# Altium PCB PE300_Rev1_1.PcbDoc (part 1 of 2) (continued)
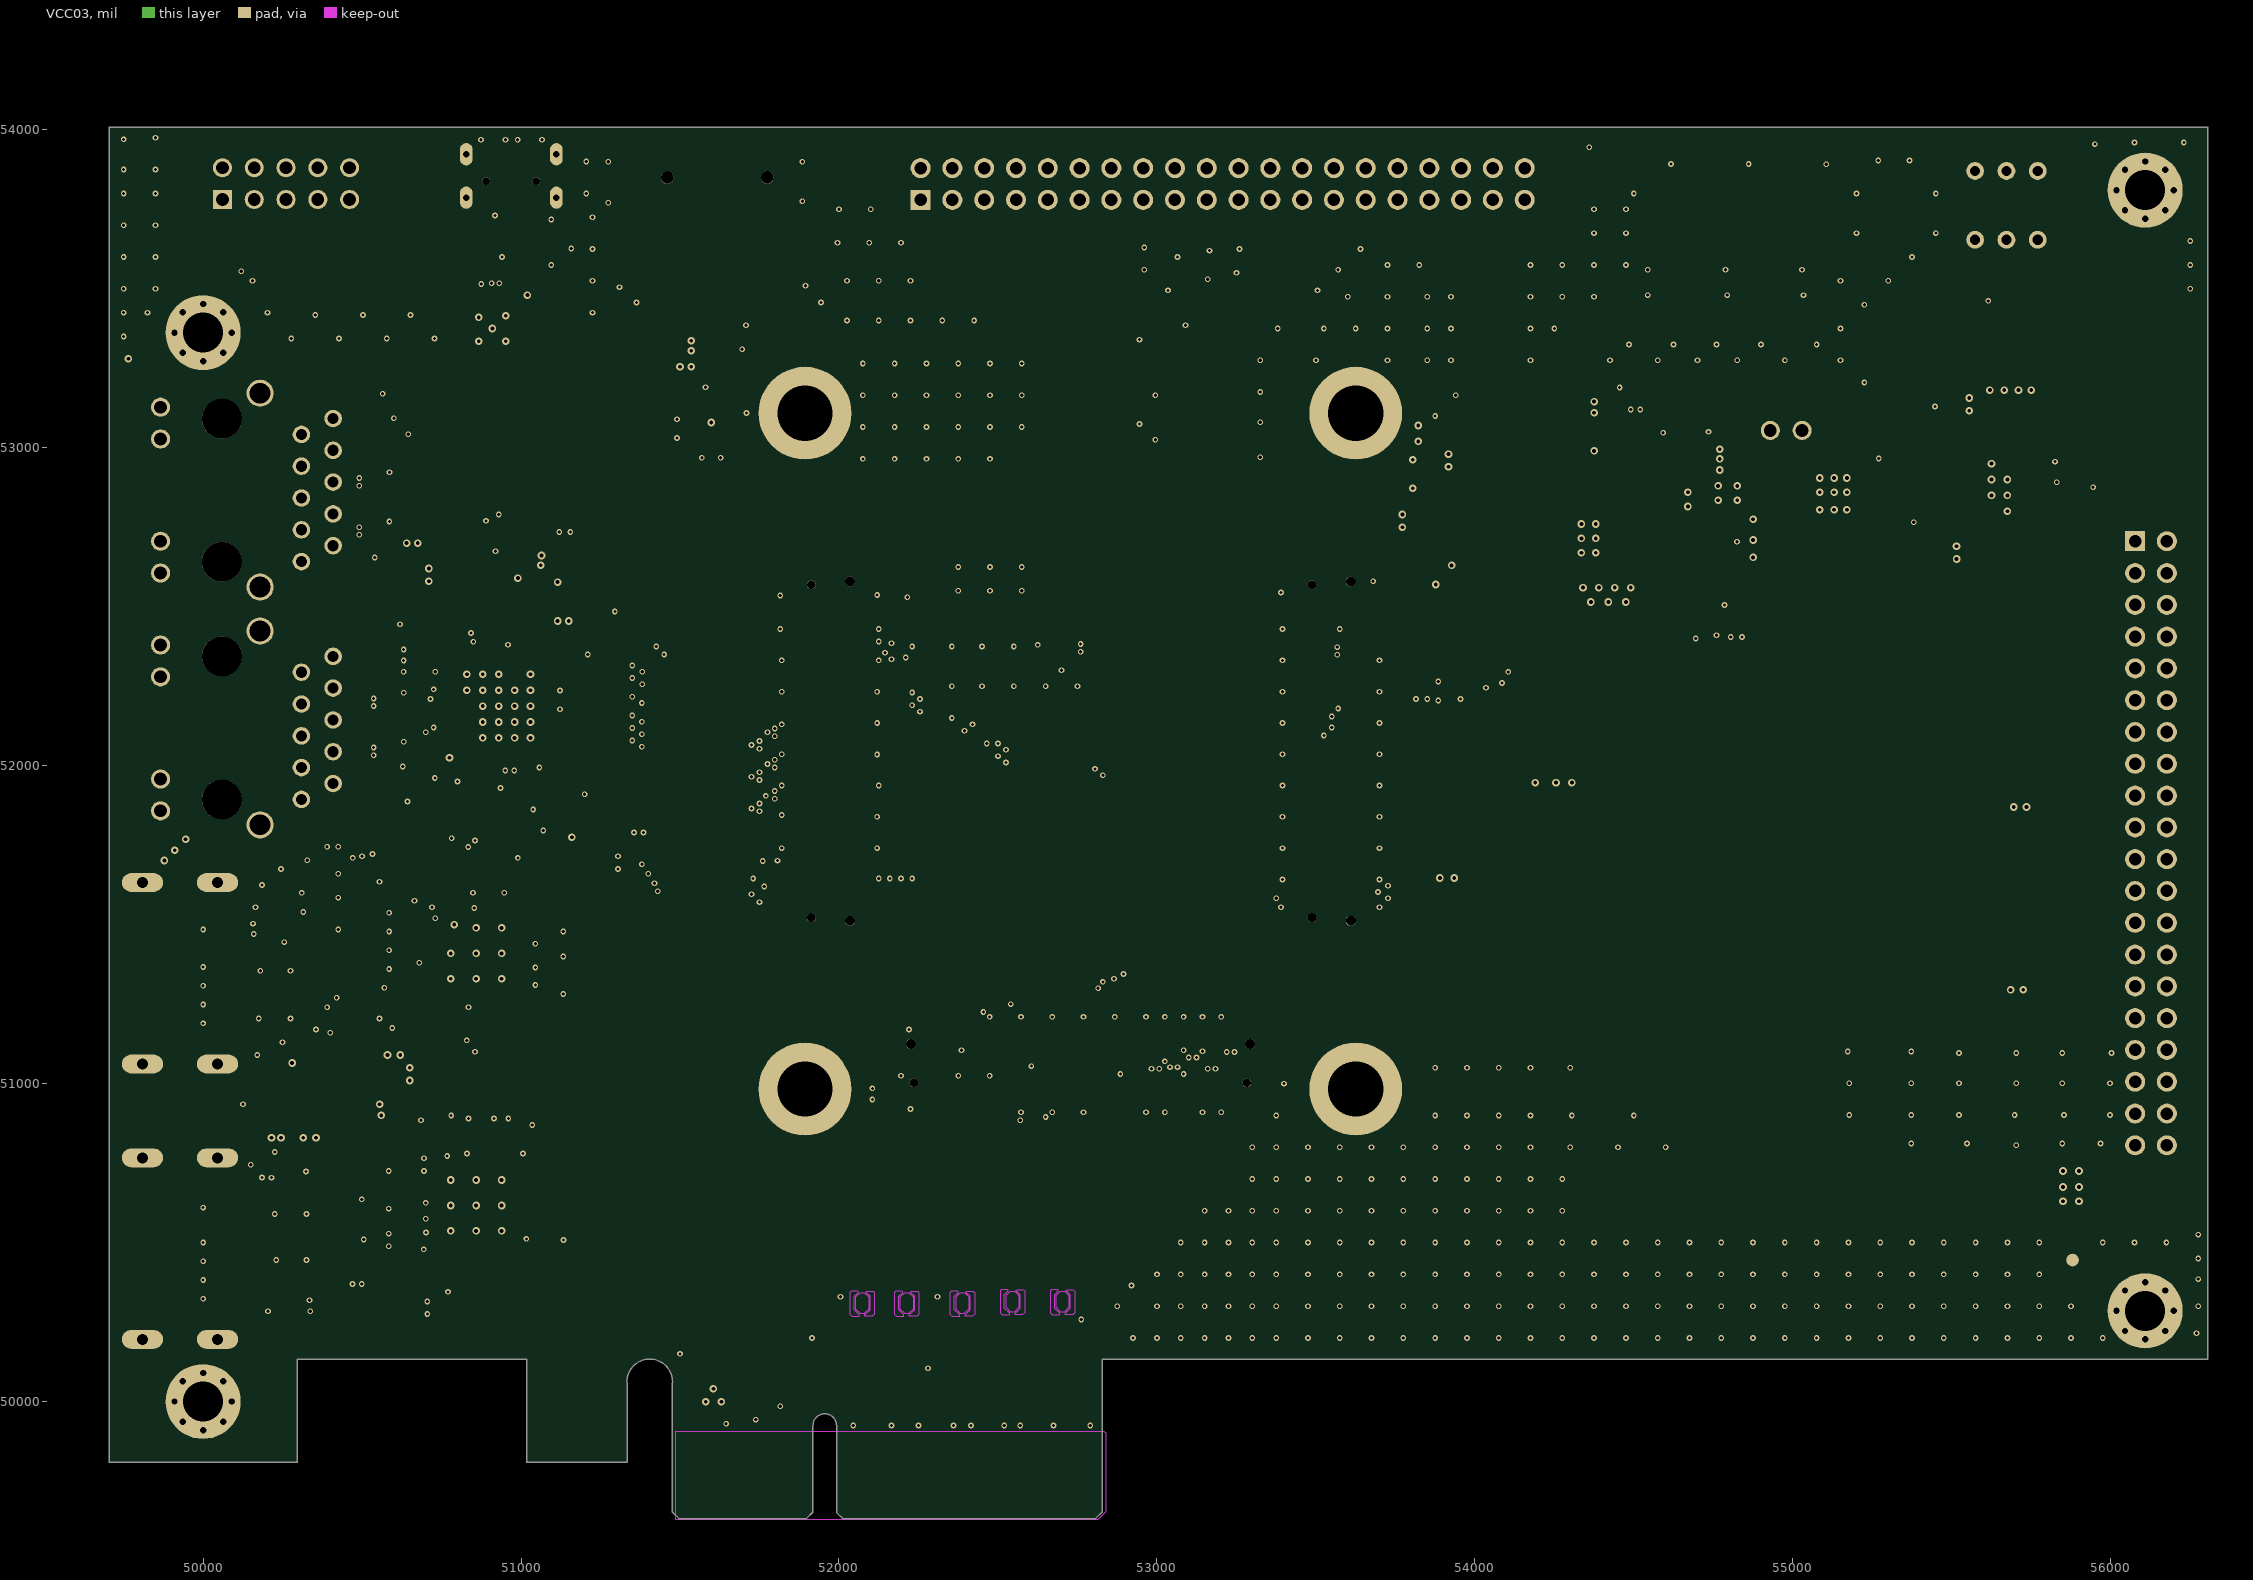
[diagram p3: VCC03]

## Layer stack, top to bottom
Top Solder: solder mask 0.4, Solder Resist, Dk 3.5
TOP: signal copper 1.2
Dielectric 1: core 8, FR-4, Dk 4.5
GND02: signal copper 1.2
Dielectric2: core 8, FR-4, Dk 4.5
VCC03: signal copper 1.2
Dielectric3: core 8, FR-4, Dk 4.5
BOTTOM: signal copper 1.2
Bottom Solder: solder mask 0.4, Solder Resist, Dk 3.5

## Board outline
51917.72,49923.56 51917.72,49652.06 51917.58,49651.71 51897.58,49631.71 51897.22,49631.56 51496.72,49631.56 51496.37,49631.71 51476.37,49651.71 51476.22,49652.06 51476.22,50057.05 51476.22,50057.1 51476.39,50061.96 ccw(c51404.72,50061.96) 51333.22,50057.1 51333.22,50057.06 51333.22,49809.06 51332.72,49808.56 51017.72,49808.56 51017.22,49809.06 51017.22,50133.56 50296.22,50133.56 50296.22,49809.06 50295.72,49808.56 49704.72,49808.56 49704.22,49809.06 49704.22,54007.88 49704.72,54008.38 56304.72,54008.38 56305.22,54007.88 56305.22,50134.06 56304.72,50133.56 52827.22,50133.56 52827.22,49652.06 52827.08,49651.71 52807.08,49631.71 52806.72,49631.56 52012.22,49631.56 52011.87,49631.71 51992.37,49651.21 51992.22,49651.56 51992.22,49924.04 51992.22,49924.07 51992.23,49924.64 ccw(c51955.22,49924.64) 51918.22,49924.07 51918.22,49924.06

## Design rules (kind name [scope] priority, off if disabled: settings)
Clearance [All] p1: gap=10
PlaneConnect [All] p1: planeconnectstyle=Direct reliefexpansion=20 reliefentries=4 reliefconductorwidth=10 reliefairgap=10
PolygonConnect [All] p1: connectstyle=Direct reliefconductorwidth=10 reliefentries=4 polygonreliefangle="90 Angle" airgapwidth=10
RoutingVias [All] p1: holewidth=28 width=50 viastyle="Through Hole" minholewidth=28 minwidth=50 maxholewidth=28 maxwidth=50
SolderMaskExpansion [All] p1: expansion=4
Width [All] p1: maxlimit=10 minlimit=10 preferedwidth=10 impedancedriven=TRUE minimp=0.000000 maximp=60.000000 favimp=60.000000
28 further rules are at their usual default settings.

## Components (designator, comment, footprint, x,y, rotation, side; value= is the part's Value field where it differs from the comment)
C1 "CAP_0805C_10UF/25V" 0805C#1 54995,52885 r270 top
C2 "CAP_0805C_10UF/25V" 0805C#1 54995,52810 r270 top
C3 "C_0402C_0.1UF" 0402C#1 50965,53550 r180 bottom
C4 "C_0603C_10UF/10V" 0603C#1 51084.77,53626.83 r270 top
C5 "C_0402C_0.1UF" 0402C#2 51074.77,53681.83 r270 top
C6 "C_0402C_0.1UF" 0402C#1 51050,53550 r180 bottom
C7 "C_0603C_10UF/6.3V" 0603C#1 51570.94,53306.8 r180 top
C8 "C_0402C_0.1UF" 0402C#2 51620.93,53316.8 r180 top
C9 "CAP_0402C_0.1UF" 0402C#1 51540,53090 r90 bottom
C10 "CAP_0402C_0.1UF" 0402C#1 51625,53025 r180 bottom
C11 "C_0402C_0.1UF" 0402C#2 50545,53092.65 r90 top
C12 "CAP_1206C_100PF/1000V" 1206C 50040.5,52832.65 r0 bottom
C13 "CAP_0402C_0.1UF" 0402C#2 54597,53560 r270 top
C14 "CAP_0402C_0.1UF" 0402C#2 54841.09,53560 r270 top
C15 "CAP_0402C_0.1UF" 0402C#2 55085.18,53560 r270 top
C16 "CAP_0603C_10UF/6.3V" 0603C#2 51014.57,52032.39 r270 bottom
C17 "CAP_0402C_0.1UF" 0402C#1 50964.58,52332.39 r0 bottom
C18 "CAP_0603C_10UF/6.3V" 0603C#2 50879.57,52032.39 r270 bottom
C19 "CAP_0402C_0.1UF" 0402C#1 50774.58,52232.39 r90 bottom
C20 "CAP_0402C_0.1UF" 0402C#1 50859.57,52332.39 r0 bottom
C21 "CAP_0402C_0.1UF" 0402C#1 51084.57,52207.39 r270 bottom
C22 "CAP_0603C_10UF/6.3V" 0603C#2 50794.57,52322.39 r0 bottom
C23 "CAP_0603C_10UF/6.3V" 0603C#2 50784.57,52182.39 r90 bottom
C24 "CAP_0402C_0.1UF" 0402C#1 50774.58,52132.39 r90 bottom
C25 "C_0402C_0.1UF" 0402C#2 50599.58,52417.39 r90 top
C26 "CAP_0402C_12PF" 0402C#2 51037.91,51808.36 r180 top
C27 "CAP_0402C_12PF" 0402C#2 50840,51820 r0 top
C28 "CAP_0805C_47UF/6.3V" 0805C#2 51070,50865 r180 bottom
C29 "CAP_0402C_0.1UF" 0402C#1 51006.38,50828.98 r180 bottom
C30 "CAP_0402C_0.1UF" 0402C#1 50845,50825 r180 bottom
C31 "CAP_0603C_10UF/6.3V" 0603C#2 50530,50570 r270 bottom
C32 "CAP_0402C_0.1UF" 0402C#1 50646.46,50575 r90 bottom
C33 "CAP_0402C_0.1UF" 0402C#1 50646.46,50528.11 r90 bottom
C34 "CAP_0402C_0.1UF" 0402C#2 54670,52459.25 r0 top
C35 "CAP_0805C_47UF/10V" 0805C#1 54435,52651.39 r180 top
C36 "CAP_0402C_0.1UF" 0402C#2 54500,52651.39 r180 top
C37 "C_0805C_10UF/25V" 0805C#1 55608.27,53085.93 r0 top
C38 "C_0805C_10UF/25V" 0805C#1 55688.27,53085.93 r0 top
C39 "CAP_0402C_0.1UF" 0402C#2 54760,52459.25 r0 top
C40 "CAP_0402C_0.1UF" 0402C#2 50710,52680 r180 top
C41 "CAP_0402C_0.1UF" 0402C#2 50270,50860 r270 top
C42 "CAP_0402C_15PF" 0402C#2 50355,51117.2 r0 top
C43 "CAP_0402C_15PF" 0402C#2 50955,52680.25 r180 top
C44 "CAP_0805C_47UF/6.3V" 0805C#1 50605,50985 r180 top
C45 "CAP_0402C_0.1UF" 0402C#2 50535,50985 r180 top
C46 "CAP_0805C_47UF/6.3V" 0805C#1 51060,52537.45 r0 top
C47 "CAP_0402C_0.1UF" 0402C#2 50990,52537.45 r0 top
C48 "CAP_0402C_0.1UF" 0402C#2 54375,53050 r180 top
C49 "CAP_0402C_15PF" 0402C#2 54630,53052.8 r180 top
C50 "CAP_0805C_47UF/6.3V" 0805C#1 54720,52915 r180 top
C51 "CAP_0402C_0.1UF" 0402C#2 54650,52915 r180 top
C52 "CAP_1206C_100PF/1000V" 1206C 50040.5,52084.62 r0 bottom
C54 "CAP_0603C_10UF/6.3V" 0603C#1 53846.89,52750 r270 top
C55 "CAP_0402C_0.1UF" 0402C#2 53856.89,52980 r270 top
C56 "CAP_0402C_15PF" 0402C#2 50840,51930 r180 top
C57 "CAP_0402C_15PF" 0402C#2 50628.74,51829.73 r180 top
C58 "CAP_0402C_0.1UF" 0402C#1 51076.02,51276.78 r270 bottom
C59 "CAP_0603C_10UF/6.3V" 0603C#2 50790,51470 r90 bottom
C60 "CAP_0402C_0.1UF" 0402C#1 50814.21,51187.45 r180 bottom
C61 "CAP_0402C_0.1UF" 0402C#1 51076.02,51394.89 r270 bottom
C62 "CAP_0603C_10UF/6.3V" 0603C#2 50907.32,51572.02 r0 bottom
C63 "CAP_0402C_0.1UF" 0402C#1 50858.74,51187.45 r180 bottom
C64 "CAP_0402C_0.1UF" 0402C#1 50635,51540 r90 bottom
C65 "CAP_0402C_0.1UF" 0402C#1 50818.9,51572.02 r0 bottom
C66 "CAP_0402C_0.1UF" 0402C#1 50635,51355 r90 bottom
C67 "CAP_0402C_0.1UF" 0402C#1 52190.34,50310 r0 bottom
C68 "CAP_0402C_0.1UF" 0402C#1 52235.34,50310 r0 bottom
C69 "CAP_0402C_0.1UF" 0402C#1 52365.3,50310 r0 bottom
C70 "CAP_0402C_0.1UF" 0402C#1 52410.3,50310 r0 bottom
C71 "CAP_0402C_0.1UF" 0402C#1 52522.78,50315 r0 bottom
C72 "CAP_0402C_0.1UF" 0402C#1 52567.78,50315 r0 bottom
C73 "CAP_0402C_0.1UF" 0402C#1 52680.26,50315 r0 bottom
C74 "CAP_0402C_0.1UF" 0402C#1 52725.26,50315 r0 bottom
C75 "CAP_0402C_0.1UF" 0402C#1 52050.34,50310 r0 bottom
C76 "CAP_0402C_0.1UF" 0402C#1 52095.34,50310 r0 bottom
C77 "CAP_0402C_0.1UF" 0402C#2 50155,53575 r0 top
C78 "CAP_0402C_0.1UF" 0402C#1 50646.46,50478.74 r270 bottom
C79 "CAP_0402C_0.1UF" 0402C#1 51071.02,50508.43 r270 bottom
C80 "CAP_0402C_0.1UF" 0402C#1 50700,50825 r180 bottom
C81 "CAP_0402C_0.1UF" 0402C#1 50646.46,50625 r90 bottom
C82 "CAP_0805C_47UF/6.3V" 0805C#2 50635,50825 r180 bottom
C83 "CAP_0402C_0.1UF" 0402C#1 50646.46,50724.96 r90 bottom
C84 "CAP_0402C_0.1UF" 0402C#1 50750,50825 r0 bottom
C85 "CAP_0805C_47UF/6.3V" 0805C#2 50840,50955 r90 bottom
C86 "CAP_0402C_0.1UF" 0402C#1 50795,50825 r0 bottom
C87 "CAP_0603C_10UF/6.3V" 0603C#2 50660,51410 r90 bottom
C88 "CAP_0603C_10UF/6.3V" 0603C#1 50490,51290 r270 top
C89 "CAP_0402C_0.1UF" 0402C#1 50760,51572.02 r0 bottom
C90 "CAP_0402C_0.1UF" 0402C#1 51076.02,51470 r270 bottom
C91 "CAP_0805C_47UF/6.3V" 0805C#2 51040,51530 r270 bottom
C92 "CAP_0805C_47UF/6.3V" 0805C#1 50500,51155 r90 top
C93 "CAP_0402C_0.1UF" 0402C#2 50400,51115 r180 top
D1 "BAT54S/SOT_SOT23-236AB_BAT54S/S" SOT23-236AB 50690,53420 r0 top
D2 "BAT54S/SOT_SOT23-236AB_BAT54S/S" SOT23-236AB 50240,53420 r0 top
D3 "BAT54S/SOT_SOT23-236AB_BAT54S/S" SOT23-236AB 50390,53420 r0 top
D4 "BAT54S/SOT_SOT23-236AB_BAT54S/S" SOT23-236AB 50540,53420 r0 top
D5 "DIODE_SMA_SS36" SMA 55515.12,52852.93 r90 top
D6 "LED_0603LED_AK_RED_LED" 0603LED_AK 55715,52965 r180 top
D7 "TVS_SMAJ5_0.0CA_5V_SOD123_AK_BZ" SOD123_AK 55380.43,52805.92 r270 top
D8 "LED_0603LED_GREEN_LED" 0603LED 55268.71,53835 r270 top
D9 "LED_0603LED_GREEN_LED" 0603LED 55367.13,53835 r270 top
F1 "FUSE_1812F_2A" 1812F 55475.12,53304.58 r180 top
J1 "CON10A_HDR254F-2X5X850_JTAG" HDR254F-2X5X850 50260.7,53830.72 r90 top
J3 "CON2_XH2_1X2_2P54MM_CON2" XH2_1X2_2P54MM 54979.01,53080 r270 top
J4 "USB_MICROTYPE_USBMICRO_H_USB_MI" USBMICRO_H 50969.36,53886.32 r180 top
J5 "MICROSD_1_TF-15-15B_MICROSD" TF-15-15B 51579.38,53712.6 r180 top
J6 "RJ45_HR911130A_RJ45_HR911130A_H" RJ45_HR911130A 50045.28,52866.73 r90 top
J7 "RJ45_HR911130A_RJ45_HR911130A_H" RJ45_HR911130A 50045.28,52118.71 r90 top
J8 "HDMI_HDMI19S_HDMI" HDMI19S 49848.43,50480.91 r270 top
J10 "HDMI_HDMI19S_HDMI" HDMI19S 49848.43,51347.05 r270 top
J11 "PCIE_SLOT_FINGER-PCI-EX4_PCIE_S" FINGER-PCI-EX4 52151.58,49797.25 r0 top
JM1 "CON 50X2_QT51A01-38200-7H_CON50" QT51A01-38200-7H 53546.65,52045.79 r180 top
JM2 "CON 50X2_QT51A01-38200-7H_CON50" QT51A01-38200-7H 52759.23,51061.52 r270 top
JM3 "CON 50X2_QT51A01-38200-7H_CON50" QT51A01-38200-7H 51971.85,52045.79 r180 top
JP1 "CON40A_IDC40-2_54A_CON40A" IDC40-2_54A 53209.27,53829.57 r0 top
JP2 "CON40A_IDC40-2_54A_CON40A" IDC40-2_54A 56126.65,51753.44 r270 top
K1 "SW_2P_SW2_3X6_SW_2P" SW2_3X6 54614.5,53796.91 r270 top
K2 "SW_2P_SW2_3X6_SW_2P" SW2_3X6 54858.59,53796.91 r270 top
K3 "SW_2P_SW2_3X6_SW_2P" SW2_3X6 55102.68,53796.91 r270 top
L1 "L_L4020_1.5UH" L4020 54625,52614.24 r90 top
L2 "L_L4020_1UH" L4020 50850,52527.45 r0 top
L3 "L_L4020_1UH" L4020 50415,50960 r90 top
L4 "L_L4020_1UH" L4020 54510,52900 r0 top
M1 "TP_R_HOLE32CIR60_HOLE" HOLE32CIR60 50000,53362.21 r0 top
M2 "TP_R_HOLE32CIR60_HOLE" HOLE32CIR60 50000,50000 r0 top
M3 "TP_R_HOLE32CIR60_HOLE" HOLE32CIR60 56108.27,50285.43 r0 top
M4 "TP_R_HOLE32CIR60_HOLE" HOLE32CIR60 56108.27,53810.24 r0 top
M5 "TP_R_HOLE174-292_HOLE" HOLE174-292 51893.11,53108.78 r0 top
M6 "TP_R_HOLE174-292_HOLE" HOLE174-292 51893.11,50982.8 r0 top
M7 "TP_R_HOLE174-292_HOLE" HOLE174-292 53625.39,50982.8 r0 top
M8 "TP_R_HOLE174-292_HOLE" HOLE174-292 53625.39,53108.78 r0 top
Q2 "AO3415_AO3415_AO3415" AO3415 55345.12,53065.92 r0 top
Q3 "AO3415_AO3415_AO3415" AO3415 55495.12,53055.93 r270 top
Q4 "MMBT5401L_0_SOT23-3_MMBTA92LT1G" SOT23-3 55267.83,52825.93 r180 top
Q5 "NPN2_SOT23_MMBT5551" SOT23 55864.53,52960.93 r0 top
Q6 "N_2N7002_SOT23-236AB_2N7002" SOT23-236AB 50390,51665 r90 top
Q7 "N_2N7002_SOT23-236AB_2N7002" SOT23-236AB 50245,51665 r90 top
R2 "RESISTOR_0402R_33R" 0402R#1 50240,53576.42 r90 top
R3 "RESISTOR_0402R_33R" 0402R#1 50390,53576.42 r90 top
R4 "RESISTOR_0402R_33R" 0402R#1 50545,53576.42 r90 top
R5 "R_0402R_33R" 0402R#1 50999.77,53666.82 r270 top
R6 "R_0402R_33R" 0402R#1 50964.77,53666.82 r270 top
R7 "R_0402R_4.7K" 0402R#2 51010,53549.69 r90 bottom
R8 "RESISTOR_0402R_4.7K(NC)" 0402R#2 51539.69,53015 r180 bottom
R9 "RESISTOR_0402R_4.7K" 0402R#2 51539.69,53050 r0 bottom
R10 "R_0402R_4.7K" 0402R#1 51505,53320 r270 top
R11 "R_0402R_4.7K(NC)" 0402R#1 51664.25,53316.8 r270 top
R12 "R_0402R_330R" 0402R#1 50545,53137.65 r0 top
R13 "R_0402R_330R" 0402R#1 50550,52692.65 r0 top
R14 "R_1206R_1M" 1206R 50040,52932.65 r180 bottom
R15 "R_0402R_10K" 0402R#1 54841.4,53480 r0 top
R16 "R_0402R_10K" 0402R#1 54597.32,53480 r0 top
R17 "R_0402R_10K" 0402R#1 55085.49,53480 r0 top
R18 "R_0402R_330R" 0402R#1 54597.32,53515 r0 top
R19 "R_0402R_330R" 0402R#1 54841.4,53515 r0 top
R20 "R_0402R_330R" 0402R#1 55085.49,53515 r0 top
R21 "RESISTOR_0402R_4.7K" 0402R#1 50679.57,52295.66 r0 top
R22 "R_0402R_330R" 0402R#1 50679.57,52417.39 r0 top
R23 "R_0402R_330R" 0402R#1 50679.57,51961.13 r0 top
R24 "RESISTOR_0402R_4.7K" 0402R#1 50900.04,52417.39 r0 top
R25 "RESISTOR_0402R_0R" 0402R#1 50679.57,52365.66 r0 top
R26 "RESISTOR_0402R_4.99K 1%" 0402R#1 50679.57,51997.39 r0 top
R27 "RESISTOR_0402R_0R(NC)" 0402R#1 50679.57,52330.66 r0 top
R28 "R_0402R_10M(NC)" 0402R#1 50905.2,51960.43 r180 top
R29 "RESISTOR_0402R_2K" 0402R#1 50278.9,50318.89 r180 top
R30 "RESISTOR_0402R_0R" 0402R#1 50518.74,50436.69 r0 top
R31 "RESISTOR_0402R_2K" 0402R#1 50278.9,50283.89 r180 top
R32 "RESISTOR_0402R_0R" 0402R#1 50518.74,50401.69 r0 top
R33 "RESISTOR_0402R_10K" 0402R#1 50280,50800.47 r180 top
R34 "RESISTOR_0402R_2K" 0402R#1 50518.74,50481.69 r0 top
R35 "RESISTOR_0402R_4.7K" 0402R#1 50735,50295 r90 top
R36 "RESISTOR_0402R_4.7K" 0402R#1 50770,50295 r90 top
R37 "RESISTOR_0402R_887R 1%" 0402R#1 50690,50945 r90 top
R38 "RESISTOR_0402R_10K" 0402R#1 50518.74,50665.9 r0 top
R39 "RES_0402R_3R3" 0402R#1 54715,52459.25 r270 top
R40 "R_0402R_30K" 0402R#1 55400.12,52965.93 r180 top
R41 "R_0402R_330R" 0402R#1 55400.12,52930.93 r180 top
R42 "R_0402R_4.7K" 0402R#1 55250.12,52930.93 r0 top
R43 "R_0402R_0R(NC)" 0402R#1 55634.53,53530.88 r180 top
R44 "R_0402R_10K" 0402R#1 55325.12,52930.93 r180 top
R45 "RES_0402R_100K" 0402R#1 54875,52458.94 r90 top
R46 "R_0402R_2K" 0402R#1 55890.12,53055.93 r0 top
R47 "R_0402R_30K" 0402R#1 55325.12,52965.93 r180 top
R48 "R_0402R_33K" 0402R#1 54840,52458.94 r270 top
R49 "RES_0402R_4.7K" 0402R#1 54805,52459.56 r270 top
R50 "R_0402R_10K" 0402R#1 55875.12,52875.93 r180 top
R51 "R_0402R_10K" 0402R#1 55634.53,53495.88 r180 top
R52 "RES_0402R_4.7K" 0402R#1 50190,50860 r0 top
R53 "RES_0402R_4.7K" 0402R#1 50785,52777.45 r0 top
R54 "RES_0402R_20K 1%" 0402R#1 50315,51116.89 r90 top
R55 "RES_0402R_6.8K 1%" 0402R#1 50995,52680.56 r270 top
R56 "RES_0402R_10K 1%" 0402R#1 51030,52680.56 r90 top
R57 "RES_0402R_10K 1%" 0402R#1 50280,51116.89 r270 top
R58 "RES_0402R_4.7K" 0402R#1 54475,53150 r0 top
R59 "RES_0402R_45.3K 1%" 0402R#1 54670,53053.11 r270 top
R60 "RES_0402R_10K 1%" 0402R#1 54705,53053.11 r90 top
R61 "R_1206R_1M" 1206R 50040,52184.62 r180 bottom
R62 "RESISTOR_0402R_330R" 0402R#1 55268.71,53735 r90 top
R63 "RESISTOR_0402R_330R" 0402R#1 55367.13,53735 r90 top
R64 "RES_0402R_0R" 0402R#1 54550,53150 r0 top
R65 "RES_0402R_0R(NC)" 0402R#1 54550,53185 r0 top
R66 "RESISTOR_0402R_47K" 0402R#1 50210,51501.61 r180 top
R67 "RESISTOR_0402R_47K" 0402R#1 50210,51536.61 r180 top
R68 "RESISTOR_0402R_1K" 0402R#1 50210,51571.61 r180 top
R69 "RESISTOR_0402R_0R(NC)" 0402R#1 50210,51461.61 r180 top
R70 "RESISTOR_0402R_10K(NC)" 0402R#1 50285,51571.61 r0 top
R71 "RESISTOR_0402R_100K" 0402R#1 50360,51571.61 r0 top
R72 "RESISTOR_0402R_0R" 0402R#1 50500,51645 r180 top
R73 "RESISTOR_0402R_0R(NC)" 0402R#1 50500,51680 r180 top
R74 "RESISTOR_0402R_1K(NC)" 0402R#1 50500,51610 r0 top
R75 "RESISTOR_0402R_4.7K" 0402R#1 50853.74,51714.73 r180 top
R76 "R_0402R_10M(NC)" 0402R#1 50765,51715 r180 top
R77 "RESISTOR_0402R_0R(NC)" 0402R#2 52280,50310 r90 bottom
R78 "RESISTOR_0402R_0R" 0402R#2 52765.26,50320 r90 bottom
R79 "RESISTOR_0402R_0R(NC)" 0402R#1 51880,50255 r270 top
R80 "RESISTOR_0402R_4.7K(NC)" 0402R#1 51915,50255 r90 top
R81 "RESISTOR_0402R_10K" 0402R#1 50928.74,51714.73 r0 top
R82 "RESISTOR_0402R_33R" 0402R#1 50480.73,53576.42 r90 top
R83 "RES_0402R_0R(NC)" 0402R#1 50170,51030 r270 top
R84 "RES_0402R_0R" 0402R#1 50170,50955 r90 top
SW1 "SW5_SW6-2P5-5P5_SW" SW6-2P5-5P5 55671.88,53762.24 r180 top
TP1 "TP_R_TP4_TP_R" TP4 51837.47,53330 r180 top
U1 "USB2UART_CP2102_QFN28-0P5-5X5_C" QFN28-0P5-5X5 50909.76,53375 r90 bottom
U3 "LEVELSHIFT_TXS02612_SDIO_QFN24-" QFN24-0P5-4X4 51598.2,53079.57 r90 top
U6 "88E1512_QFN56-0P5-8X8TS_88E1512" QFN56-0P5-8X8TS 50929.57,52187.4 r270 top
U7 "ADV7513_QFP64_10X10_0P5_T_ADV75" QFP64_10X10_0P5_T 50858.74,50616.69 r270 top
U10 "RCLAMP0564P_ESD_0524P_TPD4E05U0" ESD_0524P 50273.89,50723.9 r90 top
U15 "NB679 _NB679_NB679" NB679 54795,52604.25 r270 top
U16 "MP2143_SOT23-8_MP2143DJ" SOT23-8 50825,52687.45 r270 top
U17 "MP2143_SOT23-8_MP2143DJ" SOT23-8 50255,50970 r0 top
U18 "MP2143_SOT23-8_MP2143DJ" SOT23-8 54500,53060 r270 top
U19 "RCLAMP0564P_ESD_0524P_TPD4E05U0" ESD_0524P 50537.56,52768.11 r90 top
U20 "RCLAMP0564P_ESD_0524P_TPD4E05U0" ESD_0524P 50537.56,52922.65 r90 top
U21 "RCLAMP0564P_ESD_0524P_TPD4E05U0" ESD_0524P 50582.56,52075.07 r90 top
U22 "RCLAMP0564P_ESD_0524P_TPD4E05U0" ESD_0524P 50582.56,52229.61 r90 top
U24 "ADV7611BSWZ_QFP64_10X10_0P5_T_A" QFP64_10X10_0P5_T 50858.74,51409.73 r0 top
U25 "M24C02_SO8N-1P27-3P9X4P9_24C02(" SO8N-1P27-3P9X4P9 50370,51560 r90 bottom
U28 "RCLAMP0564P_ESD_0524P_TPD4E05U0" ESD_0524P 50275,50590 r90 top
U29 "RCLAMP0564P_ESD_0524P_TPD4E05U0" ESD_0524P 50275,50445 r90 top
U30 "RCLAMP0564P_ESD_0524P_TPD4E05U0" ESD_0524P 50225,51205 r90 top
U31 "RCLAMP0564P_ESD_0524P_TPD4E05U0" ESD_0524P 50225,51355 r90 top
Y2 "CRYSTAL_4PIN_XTAL3225M_25M" XTAL3225M 50937.91,51837.4 r90 top
Y3 "CRYSTAL_4PIN_XTAL3225M_28.63636" XTAL3225M 50738.74,51849.73 r180 top


## Text inside footprints (layer, text, board x,y; h text height)
J4: Top Overlay "USB_MicroType" at 50829.36,53877.99 h25; PIN_NUMBER "6" at 51091.09,53786.62 h25 r180; PIN_NUMBER "7" at 50807.63,53786.62 h25 r180; PIN_NUMBER "8" at 51091.09,53923.23 h25 r180; PIN_NUMBER "9" at 50807.63,53923.23 h25 r180; PIN_NUMBER "5" at 50898.18,53788.82 h25 r180; PIN_NUMBER "11" at 50870.3,53968.51 h25 r180; PIN_NUMBER "10" at 50988.42,53968.51 h25 r180; PIN_NUMBER "3" at 50949.36,53788.82 h25 r180; PIN_NUMBER "1" at 51000.54,53788.82 h25 r180; PIN_NUMBER "2" at 50974.95,53788.82 h25 r180; PIN_NUMBER "4" at 50923.77,53788.82 h25 r180
J5: PIN_NUMBER "9" at 51828.02,53433.07 h23.62 r180; PIN_NUMBER "2" at 51524.87,53433.07 h23.62 r180; PIN_NUMBER "4" at 51611.49,53433.07 h23.62 r180; PIN_NUMBER "1" at 51481.57,53433.07 h23.62 r180; PIN_NUMBER "10" at 51875.67,53456.69 h23.62 r180; PIN_NUMBER "11" at 51291.02,53456.69 h23.62 r180; PIN_NUMBER "13" at 51255.59,53834.65 h23.62 r180; PIN_NUMBER "12" at 51865.83,53834.65 h23.62 r180; PIN_NUMBER "6" at 51698.1,53433.07 h23.62 r180; PIN_NUMBER "7" at 51741.41,53433.07 h23.62 r180; PIN_NUMBER "8" at 51784.72,53433.07 h23.62 r180; PIN_NUMBER "5" at 51654.8,53433.07 h23.62 r180; PIN_NUMBER "3" at 51568.18,53433.07 h23.62 r180
J6: ASSEMBLY_TOP "*" at 50061.89,52861.82 h15.75 r90; ASSEMBLY_TOP "*" at 50061.89,52861.82 h15.75 r90; ASSEMBLY_TOP "HR911130A" at 50061.89,52861.82 h15.75 r90; Top Overlay "G" at 49940.94,53067.52 h28 r90; Top Overlay "Y" at 49940.94,52642.32 h28 r90; PIN_NUMBER "11" at 49862.99,53127.56 h3.94 r90; PIN_NUMBER "1" at 50407.48,53091.93 h3.94 r90; PIN_NUMBER "14" at 49862.99,52605.91 h3.94 r90; PIN_NUMBER "15" at 50172.83,53171.65 h3.94 r90; PIN_NUMBER "10" at 50305.9,52641.93 h3.94 r90; PIN_NUMBER "16" at 50172.83,52561.82 h3.94 r90; PIN_NUMBER "12" at 49862.99,53027.56 h3.94 r90; PIN_NUMBER "2" at 50307.48,53041.93 h3.94 r90; PIN_NUMBER "13" at 49862.99,52705.91 h3.94 r90; PIN_NUMBER "9" at 50407.48,52691.93 h3.94 r90; PIN_NUMBER "6" at 50307.48,52841.93 h3.94 r90; PIN_NUMBER "3" at 50407.48,52991.93 h3.94 r90; PIN_NUMBER "8" at 50307.48,52741.93 h3.94 r90; PIN_NUMBER "4" at 50307.48,52941.93 h3.94 r90; PIN_NUMBER "7" at 50407.48,52791.93 h3.94 r90; PIN_NUMBER "5" at 50407.48,52891.93 h3.94 r90; Bottom Overlay "10" at 50233.6,52610.82 h28 r270; Bottom Overlay "2" at 50233.6,53024.22 h28 r270; Bottom Overlay "9" at 50398.95,52614.76 h28 r270; Bottom Overlay "1" at 50398.95,53130.52 h28 r270
J7: ASSEMBLY_TOP "*" at 50061.89,52113.79 h15.75 r90; ASSEMBLY_TOP "*" at 50061.89,52113.79 h15.75 r90; ASSEMBLY_TOP "HR911130A" at 50061.89,52113.79 h15.75 r90; Top Overlay "G" at 49940.94,52319.5 h28 r90; Top Overlay "Y" at 49940.94,51894.29 h28 r90; PIN_NUMBER "10" at 50305.9,51893.91 h3.94 r90; PIN_NUMBER "15" at 50172.83,52423.63 h3.94 r90; PIN_NUMBER "16" at 50172.83,51813.79 h3.94 r90; PIN_NUMBER "11" at 49862.99,52379.54 h3.94 r90; PIN_NUMBER "14" at 49862.99,51857.88 h3.94 r90; PIN_NUMBER "1" at 50407.48,52343.91 h3.94 r90; PIN_NUMBER "12" at 49862.99,52279.54 h3.94 r90; PIN_NUMBER "3" at 50407.48,52243.91 h3.94 r90; PIN_NUMBER "2" at 50307.48,52293.91 h3.94 r90; PIN_NUMBER "8" at 50307.48,51993.91 h3.94 r90; PIN_NUMBER "7" at 50407.48,52043.91 h3.94 r90; PIN_NUMBER "6" at 50307.48,52093.91 h3.94 r90; PIN_NUMBER "9" at 50407.48,51943.91 h3.94 r90; PIN_NUMBER "4" at 50307.48,52193.91 h3.94 r90; PIN_NUMBER "13" at 49862.99,51957.88 h3.94 r90; PIN_NUMBER "5" at 50407.48,52143.91 h3.94 r90; Bottom Overlay "10" at 50233.6,51862.78 h28 r270; Bottom Overlay "2" at 50233.6,52276.18 h28 r270; Bottom Overlay "9" at 50398.95,51866.74 h28 r270; Bottom Overlay "1" at 50398.95,52382.49 h28 r270
J8: PIN_NUMBER "14" at 50024.97,50559.65 h25 r270; PIN_NUMBER "BO4" at 49749.06,50766.33 h25 r270; PIN_NUMBER "BO3" at 49749.06,50195.48 h25 r270; PIN_NUMBER "BO2" at 49985.28,50766.33 h25 r270; PIN_NUMBER "BO1" at 49985.28,50195.48 h25 r270; PIN_NUMBER "2" at 50044.97,50323.43 h25 r270; PIN_NUMBER "5" at 50044.97,50382.48 h25 r270; PIN_NUMBER "8" at 50044.97,50441.54 h25 r270; PIN_NUMBER "11" at 50024.97,50500.59 h25 r270; PIN_NUMBER "17" at 50024.97,50618.71 h25 r270; PIN_NUMBER "4" at 50044.97,50362.79 h25 r270; PIN_NUMBER "6" at 50044.97,50402.17 h25 r270; PIN_NUMBER "19" at 50024.97,50658.07 h25 r270; PIN_NUMBER "15" at 50024.97,50579.33 h25 r270; PIN_NUMBER "7" at 50044.97,50421.85 h25 r270; PIN_NUMBER "12" at 50024.97,50520.28 h25 r270; PIN_NUMBER "9" at 50044.97,50461.22 h25 r270; PIN_NUMBER "1" at 50044.97,50303.74 h25 r270; PIN_NUMBER "3" at 50044.97,50343.11 h25 r270; PIN_NUMBER "10" at 50024.97,50480.91 h25 r270; PIN_NUMBER "13" at 50024.97,50539.96 h25 r270; PIN_NUMBER "16" at 50024.97,50599.02 h25 r270; PIN_NUMBER "18" at 50024.97,50638.39 h25 r270
J10: PIN_NUMBER "15" at 50024.97,51445.48 h25 r270; PIN_NUMBER "16" at 50024.97,51465.16 h25 r270; PIN_NUMBER "19" at 50024.97,51524.22 h25 r270; PIN_NUMBER "13" at 50024.97,51406.11 h25 r270; PIN_NUMBER "18" at 50024.97,51504.53 h25 r270; PIN_NUMBER "12" at 50024.97,51386.42 h25 r270; PIN_NUMBER "10" at 50024.97,51347.05 h25 r270; PIN_NUMBER "9" at 50044.97,51327.36 h25 r270; PIN_NUMBER "7" at 50044.97,51287.99 h25 r270; PIN_NUMBER "6" at 50044.97,51268.31 h25 r270; PIN_NUMBER "4" at 50044.97,51228.94 h25 r270; PIN_NUMBER "3" at 50044.97,51209.25 h25 r270; PIN_NUMBER "1" at 50044.97,51169.88 h25 r270; PIN_NUMBER "BO4" at 49749.06,51632.48 h25 r270; PIN_NUMBER "BO2" at 49985.28,51632.48 h25 r270; PIN_NUMBER "BO1" at 49985.28,51061.62 h25 r270; PIN_NUMBER "BO3" at 49749.06,51061.62 h25 r270; PIN_NUMBER "11" at 50024.97,51366.74 h25 r270; PIN_NUMBER "8" at 50044.97,51307.68 h25 r270; PIN_NUMBER "5" at 50044.97,51248.62 h25 r270; PIN_NUMBER "2" at 50044.97,51189.57 h25 r270; PIN_NUMBER "17" at 50024.97,51484.85 h25 r270; PIN_NUMBER "14" at 50024.97,51425.79 h25 r270
J11: Top Overlay "o" at 51489,49971 h28; PIN_NUMBER "B27" at 52580.33,49769.68 h20; PIN_NUMBER "B19" at 52265.37,49769.68 h20; PIN_NUMBER "B31" at 52737.82,49789.38 h20; PIN_NUMBER "B28" at 52619.71,49769.68 h20; PIN_NUMBER "A1" at 51485.97,49789.38 h20; PIN_NUMBER "A25" at 52501.59,49769.68 h20; PIN_NUMBER "B10" at 51832.3,49769.68 h20; PIN_NUMBER "B20" at 52304.74,49769.68 h20; PIN_NUMBER "B15" at 52107.89,49769.68 h20; PIN_NUMBER "B14" at 52068.52,49769.68 h20; PIN_NUMBER "B24" at 52462.22,49769.68 h20; PIN_NUMBER "B23" at 52422.85,49769.68 h20; PIN_NUMBER "A21" at 52344.11,49769.68 h20; PIN_NUMBER "A13" at 52029.15,49769.68 h20; PIN_NUMBER "A14" at 52068.52,49769.68 h20; PIN_NUMBER "A26" at 52540.96,49769.68 h20; PIN_NUMBER "A29" at 52659.07,49769.68 h20; PIN_NUMBER "A30" at 52698.44,49769.68 h20; PIN_NUMBER "A16" at 52147.26,49769.68 h20; PIN_NUMBER "A17" at 52186.63,49769.68 h20; PIN_NUMBER "A22" at 52383.48,49769.68 h20; PIN_NUMBER "B9" at 51800.93,49769.68 h20; PIN_NUMBER "A5" at 51643.45,49769.68 h20; PIN_NUMBER "A6" at 51682.82,49769.68 h20; PIN_NUMBER "A7" at 51722.19,49769.68 h20; PIN_NUMBER "A8" at 51761.56,49769.68 h20; PIN_NUMBER "A19" at 52265.37,49769.68 h20; PIN_NUMBER "B30" at 52698.44,49769.68 h20; PIN_NUMBER "A32" at 52777.18,49769.68 h20; PIN_NUMBER "B12" at 51989.78,49769.68 h20; PIN_NUMBER "B5" at 51643.45,49769.68 h20; PIN_NUMBER "B6" at 51682.82,49769.68 h20; PIN_NUMBER "B11" at 51871.67,49769.68 h20; PIN_NUMBER "A2" at 51525.34,49769.68 h20; PIN_NUMBER "A3" at 51564.71,49769.68 h20; PIN_NUMBER "B2" at 51525.34,49769.68 h20; PIN_NUMBER "B1" at 51485.97,49769.68 h20; PIN_NUMBER "B3" at 51564.71,49769.68 h20; PIN_NUMBER "A12" at 51989.78,49769.68 h20; PIN_NUMBER "A15" at 52107.89,49769.68 h20; PIN_NUMBER "A18" at 52226,49769.68 h20; PIN_NUMBER "A20" at 52304.74,49769.68 h20; PIN_NUMBER "A23" at 52422.85,49769.68 h20; PIN_NUMBER "A24" at 52462.22,49769.68 h20; PIN_NUMBER "A27" at 52580.33,49769.68 h20; PIN_NUMBER "A28" at 52619.71,49769.68 h20; PIN_NUMBER "A4" at 51604.08,49769.68 h20; PIN_NUMBER "A31" at 52737.82,49769.68 h20; PIN_NUMBER "B4" at 51604.08,49769.68 h20; PIN_NUMBER "B29" at 52659.07,49769.68 h20; PIN_NUMBER "B26" at 52540.96,49769.68 h20; PIN_NUMBER "B25" at 52501.59,49769.68 h20; PIN_NUMBER "B22" at 52383.48,49769.68 h20; PIN_NUMBER "B21" at 52344.11,49769.68 h20; PIN_NUMBER "B18" at 52226,49769.68 h20; PIN_NUMBER "B16" at 52147.26,49769.68 h20; PIN_NUMBER "B13" at 52029.15,49769.68 h20; PIN_NUMBER "B7" at 51722.19,49769.68 h20; PIN_NUMBER "B32" at 52777.18,49769.68 h20; PIN_NUMBER "A11" at 51871.67,49769.68 h20; PIN_NUMBER "B17" at 52186.63,49789.38 h20; PIN_NUMBER "A10" at 51832.3,49769.68 h20; PIN_NUMBER "A9" at 51800.93,49769.68 h20; PIN_NUMBER "B8" at 51761.56,49769.68 h20
JM1: ASSEMBLY_TOP "CON50x2 REC" at 53560.36,52054.65 h25 r180; ASSEMBLY_TOP "*" at 53560.36,52054.65 h25 r180; ASSEMBLY_TOP "*" at 53560.36,52054.65 h25 r180; Top Overlay "99" at 53689,52521 h28; Top Overlay "100" at 53319,52521 h28; Top Overlay "2" at 53384,51541 h28; PIN_NUMBER "27" at 53641.93,51819.41 h3.94 r180; PIN_NUMBER "25" at 53641.93,51799.72 h3.94 r180; PIN_NUMBER "1" at 53643.5,51554.51 h3.94 r180; PIN_NUMBER "3" at 53643.5,51583.19 h3.94 r180; PIN_NUMBER "7" at 53643.5,51622.56 h3.94 r180; PIN_NUMBER "5" at 53643.5,51602.88 h3.94 r180; PIN_NUMBER "2" at 53446.65,51554.51 h3.94 r180; PIN_NUMBER "17" at 53641.93,51720.99 h3.94 r180; PIN_NUMBER "15" at 53641.93,51701.3 h3.94 r180; PIN_NUMBER "100" at 53443.5,52537.07 h3.94 r180; PIN_NUMBER "89" at 53641.93,52429.65 h3.94 r180; PIN_NUMBER "39" at 53641.93,51937.52 h3.94 r180; PIN_NUMBER "49" at 53641.93,52035.94 h3.94 r180; PIN_NUMBER "59" at 53641.93,52134.37 h3.94 r180; PIN_NUMBER "69" at 53641.93,52232.8 h3.94 r180; PIN_NUMBER "9" at 53643.5,51642.25 h3.94 r180; PIN_NUMBER "10" at 53445.08,51642.25 h3.94 r180; PIN_NUMBER "19" at 53641.93,51740.67 h3.94 r180; PIN_NUMBER "20" at 53445.08,51740.67 h3.94 r180; PIN_NUMBER "29" at 53641.93,51839.1 h3.94 r180; PIN_NUMBER "30" at 53445.08,51839.1 h3.94 r180; PIN_NUMBER "40" at 53445.08,51937.52 h3.94 r180; PIN_NUMBER "50" at 53445.08,52035.94 h3.94 r180; PIN_NUMBER "60" at 53445.08,52134.37 h3.94 r180; PIN_NUMBER "70" at 53445.08,52232.8 h3.94 r180; PIN_NUMBER "79" at 53641.93,52331.22 h3.94 r180; PIN_NUMBER "80" at 53445.08,52331.22 h3.94 r180; PIN_NUMBER "90" at 53445.08,52429.65 h3.94 r180; PIN_NUMBER "99" at 53641.93,52537.07 h3.94 r180; PIN_NUMBER "91" at 53641.93,52449.33 h3.94 r180; PIN_NUMBER "93" at 53641.93,52469.02 h3.94 r180; PIN_NUMBER "11" at 53641.93,51661.93 h3.94 r180; PIN_NUMBER "13" at 53641.93,51681.61 h3.94 r180; PIN_NUMBER "61" at 53641.93,52154.06 h3.94 r180; PIN_NUMBER "23" at 53641.93,51780.04 h3.94 r180; PIN_NUMBER "53" at 53641.93,52075.32 h3.94 r180; PIN_NUMBER "35" at 53641.93,51898.15 h3.94 r180; PIN_NUMBER "37" at 53641.93,51917.83 h3.94 r180; PIN_NUMBER "31" at 53641.93,51858.78 h3.94 r180; PIN_NUMBER "47" at 53641.93,52016.26 h3.94 r180; PIN_NUMBER "57" at 53641.93,52114.69 h3.94 r180; PIN_NUMBER "21" at 53641.93,51760.36 h3.94 r180; PIN_NUMBER "45" at 53641.93,51996.57 h3.94 r180; PIN_NUMBER "41" at 53641.93,51957.21 h3.94 r180; PIN_NUMBER "33" at 53641.93,51878.46 h3.94 r180; PIN_NUMBER "63" at 53641.93,52173.74 h3.94 r180; PIN_NUMBER "43" at 53641.93,51976.89 h3.94 r180; PIN_NUMBER "55" at 53641.93,52095 h3.94 r180; PIN_NUMBER "51" at 53641.93,52055.63 h3.94 r180; PIN_NUMBER "98" at 53445.08,52508.39 h3.94 r180; PIN_NUMBER "67" at 53641.93,52213.11 h3.94 r180; PIN_NUMBER "54" at 53445.08,52075.32 h3.94 r180; PIN_NUMBER "74" at 53445.08,52272.17 h3.94 r180; PIN_NUMBER "52" at 53445.08,52055.63 h3.94 r180; PIN_NUMBER "81" at 53641.93,52350.91 h3.94 r180; PIN_NUMBER "66" at 53445.08,52193.43 h3.94 r180; PIN_NUMBER "92" at 53445.08,52449.33 h3.94 r180; PIN_NUMBER "83" at 53641.93,52370.59 h3.94 r180; PIN_NUMBER "94" at 53445.08,52469.02 h3.94 r180; PIN_NUMBER "84" at 53445.08,52370.59 h3.94 r180; PIN_NUMBER "44" at 53445.08,51976.89 h3.94 r180; PIN_NUMBER "56" at 53445.08,52095 h3.94 r180; PIN_NUMBER "85" at 53641.93,52390.28 h3.94 r180; PIN_NUMBER "48" at 53445.08,52016.26 h3.94 r180; PIN_NUMBER "73" at 53641.93,52272.17 h3.94 r180; PIN_NUMBER "77" at 53641.93,52311.54 h3.94 r180; PIN_NUMBER "42" at 53445.08,51957.21 h3.94 r180; PIN_NUMBER "72" at 53445.08,52252.48 h3.94 r180; PIN_NUMBER "96" at 53445.08,52488.7 h3.94 r180; PIN_NUMBER "62" at 53445.08,52154.06 h3.94 r180; PIN_NUMBER "88" at 53445.08,52409.96 h3.94 r180; PIN_NUMBER "75" at 53641.93,52291.85 h3.94 r180; PIN_NUMBER "71" at 53641.93,52252.48 h3.94 r180; PIN_NUMBER "95" at 53641.93,52488.7 h3.94 r180; PIN_NUMBER "87" at 53641.93,52409.96 h3.94 r180; PIN_NUMBER "46" at 53445.08,51996.57 h3.94 r180; PIN_NUMBER "64" at 53445.08,52173.74 h3.94 r180; PIN_NUMBER "65" at 53641.93,52193.43 h3.94 r180; PIN_NUMBER "97" at 53641.93,52508.39 h3.94 r180; PIN_NUMBER "58" at 53445.08,52114.69 h3.94 r180; PIN_NUMBER "76" at 53445.08,52291.85 h3.94 r180; PIN_NUMBER "78" at 53445.08,52311.54 h3.94 r180; PIN_NUMBER "68" at 53445.08,52213.11 h3.94 r180; PIN_NUMBER "86" at 53445.08,52390.28 h3.94 r180; PIN_NUMBER "82" at 53445.08,52350.91 h3.94 r180; PIN_NUMBER "8" at 53446.65,51622.56 h3.94 r180; PIN_NUMBER "26" at 53445.08,51799.72 h3.94 r180; PIN_NUMBER "18" at 53445.08,51720.99 h3.94 r180; PIN_NUMBER "32" at 53445.08,51858.78 h3.94 r180; PIN_NUMBER "4" at 53446.65,51583.19 h3.94 r180; PIN_NUMBER "22" at 53445.08,51760.36 h3.94 r180; PIN_NUMBER "28" at 53445.08,51819.41 h3.94 r180; PIN_NUMBER "38" at 53445.08,51917.83 h3.94 r180; PIN_NUMBER "14" at 53445.08,51681.61 h3.94 r180; PIN_NUMBER "12" at 53445.08,51661.93 h3.94 r180; PIN_NUMBER "36" at 53445.08,51898.15 h3.94 r180; PIN_NUMBER "16" at 53445.08,51701.3 h3.94 r180; PIN_NUMBER "34" at 53445.08,51878.46 h3.94 r180; PIN_NUMBER "24" at 53445.08,51780.04 h3.94 r180; PIN_NUMBER "6" at 53446.65,51602.88 h3.94 r180
JM2: ASSEMBLY_TOP "CON50x2 REC" at 52750.37,51075.22 h25 r270; ASSEMBLY_TOP "*" at 52750.37,51075.22 h25 r270; ASSEMBLY_TOP "*" at 52750.37,51075.22 h25 r270; Top Overlay "99" at 52244,51221 h28; Top Overlay "100" at 52219,50876 h28; Top Overlay "2" at 53234,50886 h28; PIN_NUMBER "2" at 53248.94,50963.09 h3.94 r270; PIN_NUMBER "4" at 53220.26,50963.09 h3.94 r270; PIN_NUMBER "81" at 52450.96,51159.94 h3.94 r270; PIN_NUMBER "10" at 53159.63,50963.09 h3.94 r270; PIN_NUMBER "22" at 53041.52,50963.09 h3.94 r270; PIN_NUMBER "8" at 53180.89,50963.09 h3.94 r270; PIN_NUMBER "25" at 53002.15,51159.94 h3.94 r270; PIN_NUMBER "27" at 52982.46,51159.94 h3.94 r270; PIN_NUMBER "13" at 53120.26,51159.94 h3.94 r270; PIN_NUMBER "19" at 53061.2,51159.94 h3.94 r270; PIN_NUMBER "15" at 53100.57,51159.94 h3.94 r270; PIN_NUMBER "9" at 53161.2,51159.94 h3.94 r270; PIN_NUMBER "7" at 53180.89,51159.94 h3.94 r270; PIN_NUMBER "21" at 53041.52,51159.94 h3.94 r270; PIN_NUMBER "20" at 53061.2,50963.09 h3.94 r270; PIN_NUMBER "26" at 53002.15,50963.09 h3.94 r270; PIN_NUMBER "28" at 52982.46,50963.09 h3.94 r270; PIN_NUMBER "31" at 52943.09,51159.94 h3.94 r270; PIN_NUMBER "14" at 53120.26,50963.09 h3.94 r270; PIN_NUMBER "16" at 53100.57,50963.09 h3.94 r270; PIN_NUMBER "85" at 52411.59,51159.94 h3.94 r270; PIN_NUMBER "73" at 52529.7,51159.94 h3.94 r270; PIN_NUMBER "53" at 52726.55,51159.94 h3.94 r270; PIN_NUMBER "77" at 52490.33,51159.94 h3.94 r270; PIN_NUMBER "65" at 52608.44,51159.94 h3.94 r270; PIN_NUMBER "57" at 52687.18,51159.94 h3.94 r270; PIN_NUMBER "47" at 52785.61,51159.94 h3.94 r270; PIN_NUMBER "71" at 52549.39,51159.94 h3.94 r270; PIN_NUMBER "97" at 52293.48,51159.94 h3.94 r270; PIN_NUMBER "95" at 52313.17,51159.94 h3.94 r270; PIN_NUMBER "61" at 52647.81,51159.94 h3.94 r270; PIN_NUMBER "87" at 52391.91,51159.94 h3.94 r270; PIN_NUMBER "55" at 52706.87,51159.94 h3.94 r270; PIN_NUMBER "45" at 52805.3,51159.94 h3.94 r270; PIN_NUMBER "75" at 52510.02,51159.94 h3.94 r270; PIN_NUMBER "83" at 52431.28,51159.94 h3.94 r270; PIN_NUMBER "67" at 52588.76,51159.94 h3.94 r270; PIN_NUMBER "63" at 52628.13,51159.94 h3.94 r270; PIN_NUMBER "51" at 52746.24,51159.94 h3.94 r270; PIN_NUMBER "33" at 52923.41,51159.94 h3.94 r270; PIN_NUMBER "3" at 53220.26,51159.94 h3.94 r270; PIN_NUMBER "1" at 53248.94,51159.94 h3.94 r270; PIN_NUMBER "23" at 53021.83,51159.94 h3.94 r270; PIN_NUMBER "90" at 52372.22,50963.09 h3.94 r270; PIN_NUMBER "80" at 52470.65,50963.09 h3.94 r270; PIN_NUMBER "40" at 52864.35,50963.09 h3.94 r270; PIN_NUMBER "18" at 53080.89,50963.09 h3.94 r270; PIN_NUMBER "99" at 52264.8,51159.94 h3.94 r270; PIN_NUMBER "89" at 52372.22,51159.94 h3.94 r270; PIN_NUMBER "6" at 53200.57,50963.09 h3.94 r270; PIN_NUMBER "11" at 53139.94,51159.94 h3.94 r270; PIN_NUMBER "12" at 53139.94,50963.09 h3.94 r270; PIN_NUMBER "17" at 53080.89,51159.94 h3.94 r270; PIN_NUMBER "24" at 53021.83,50963.09 h3.94 r270; PIN_NUMBER "30" at 52962.78,50963.09 h3.94 r270; PIN_NUMBER "50" at 52765.93,50963.09 h3.94 r270; PIN_NUMBER "60" at 52667.5,50963.09 h3.94 r270; PIN_NUMBER "70" at 52569.07,50963.09 h3.94 r270; PIN_NUMBER "100" at 52263.23,50963.09 h3.94 r270; PIN_NUMBER "5" at 53200.57,51159.94 h3.94 r270; PIN_NUMBER "29" at 52962.78,51159.94 h3.94 r270; PIN_NUMBER "39" at 52864.35,51159.94 h3.94 r270; PIN_NUMBER "49" at 52765.93,51159.94 h3.94 r270; PIN_NUMBER "59" at 52667.5,51159.94 h3.94 r270; PIN_NUMBER "69" at 52569.07,51159.94 h3.94 r270; PIN_NUMBER "79" at 52470.65,51159.94 h3.94 r270; PIN_NUMBER "91" at 52352.54,51159.94 h3.94 r270; PIN_NUMBER "93" at 52332.85,51159.94 h3.94 r270; PIN_NUMBER "41" at 52844.67,51159.94 h3.94 r270; PIN_NUMBER "43" at 52824.98,51159.94 h3.94 r270; PIN_NUMBER "96" at 52313.17,50963.09 h3.94 r270; PIN_NUMBER "94" at 52332.85,50963.09 h3.94 r270; PIN_NUMBER "98" at 52293.48,50963.09 h3.94 r270; PIN_NUMBER "62" at 52647.81,50963.09 h3.94 r270; PIN_NUMBER "52" at 52746.24,50963.09 h3.94 r270; PIN_NUMBER "66" at 52608.44,50963.09 h3.94 r270; PIN_NUMBER "48" at 52785.61,50963.09 h3.94 r270; PIN_NUMBER "82" at 52450.96,50963.09 h3.94 r270; PIN_NUMBER "34" at 52923.41,50963.09 h3.94 r270; PIN_NUMBER "58" at 52687.18,50963.09 h3.94 r270; PIN_NUMBER "36" at 52903.72,50963.09 h3.94 r270; PIN_NUMBER "68" at 52588.76,50963.09 h3.94 r270; PIN_NUMBER "78" at 52490.33,50963.09 h3.94 r270; PIN_NUMBER "64" at 52628.13,50963.09 h3.94 r270; PIN_NUMBER "46" at 52805.3,50963.09 h3.94 r270; PIN_NUMBER "54" at 52726.55,50963.09 h3.94 r270; PIN_NUMBER "56" at 52706.87,50963.09 h3.94 r270; PIN_NUMBER "76" at 52510.02,50963.09 h3.94 r270; PIN_NUMBER "38" at 52884.04,50963.09 h3.94 r270; PIN_NUMBER "72" at 52549.39,50963.09 h3.94 r270; PIN_NUMBER "86" at 52411.59,50963.09 h3.94 r270; PIN_NUMBER "32" at 52943.09,50963.09 h3.94 r270; PIN_NUMBER "88" at 52391.91,50963.09 h3.94 r270; PIN_NUMBER "84" at 52431.28,50963.09 h3.94 r270; PIN_NUMBER "92" at 52352.54,50963.09 h3.94 r270; PIN_NUMBER "44" at 52824.98,50963.09 h3.94 r270; PIN_NUMBER "74" at 52529.7,50963.09 h3.94 r270; PIN_NUMBER "42" at 52844.67,50963.09 h3.94 r270; PIN_NUMBER "37" at 52884.04,51159.94 h3.94 r270; PIN_NUMBER "35" at 52903.72,51159.94 h3.94 r270
JM3: ASSEMBLY_TOP "CON50x2 REC" at 51985.55,52054.65 h25 r180; ASSEMBLY_TOP "*" at 51985.55,52054.65 h25 r180; ASSEMBLY_TOP "*" at 51985.55,52054.65 h25 r180; Top Overlay "99" at 52114,52521 h28; Top Overlay "100" at 51749,52526 h28; Top Overlay "2" at 51804,51541 h28; PIN_NUMBER "41" at 52067.13,51957.21 h3.94 r180; PIN_NUMBER "43" at 52067.13,51976.89 h3.94 r180; PIN_NUMBER "61" at 52067.13,52154.06 h3.94 r180; PIN_NUMBER "67" at 52067.13,52213.11 h3.94 r180; PIN_NUMBER "91" at 52067.13,52449.33 h3.94 r180; PIN_NUMBER "95" at 52067.13,52488.7 h3.94 r180; PIN_NUMBER "71" at 52067.13,52252.48 h3.94 r180; PIN_NUMBER "65" at 52067.13,52193.43 h3.94 r180; PIN_NUMBER "97" at 52067.13,52508.39 h3.94 r180; PIN_NUMBER "93" at 52067.13,52469.02 h3.94 r180; PIN_NUMBER "87" at 52067.13,52409.96 h3.94 r180; PIN_NUMBER "63" at 52067.13,52173.74 h3.94 r180; PIN_NUMBER "28" at 51870.28,51819.41 h3.94 r180; PIN_NUMBER "26" at 51870.28,51799.72 h3.94 r180; PIN_NUMBER "24" at 51870.28,51780.04 h3.94 r180; PIN_NUMBER "35" at 52067.13,51898.15 h3.94 r180; PIN_NUMBER "31" at 52067.13,51858.78 h3.94 r180; PIN_NUMBER "33" at 52067.13,51878.46 h3.94 r180; PIN_NUMBER "37" at 52067.13,51917.83 h3.94 r180; PIN_NUMBER "22" at 51870.28,51760.36 h3.94 r180; PIN_NUMBER "83" at 52067.13,52370.59 h3.94 r180; PIN_NUMBER "73" at 52067.13,52272.17 h3.94 r180; PIN_NUMBER "77" at 52067.13,52311.54 h3.94 r180; PIN_NUMBER "39" at 52067.13,51937.52 h3.94 r180; PIN_NUMBER "29" at 52067.13,51839.1 h3.94 r180; PIN_NUMBER "19" at 52067.13,51740.67 h3.94 r180; PIN_NUMBER "20" at 51870.28,51740.67 h3.94 r180; PIN_NUMBER "30" at 51870.28,51839.1 h3.94 r180; PIN_NUMBER "40" at 51870.28,51937.52 h3.94 r180; PIN_NUMBER "49" at 52067.13,52035.94 h3.94 r180; PIN_NUMBER "50" at 51870.28,52035.94 h3.94 r180; PIN_NUMBER "59" at 52067.13,52134.37 h3.94 r180; PIN_NUMBER "60" at 51870.28,52134.37 h3.94 r180; PIN_NUMBER "69" at 52067.13,52232.8 h3.94 r180; PIN_NUMBER "70" at 51870.28,52232.8 h3.94 r180; PIN_NUMBER "79" at 52067.13,52331.22 h3.94 r180; PIN_NUMBER "80" at 51870.28,52331.22 h3.94 r180; PIN_NUMBER "89" at 52067.13,52429.65 h3.94 r180; PIN_NUMBER "90" at 51870.28,52429.65 h3.94 r180; PIN_NUMBER "99" at 52067.13,52537.07 h3.94 r180; PIN_NUMBER "100" at 51868.7,52537.07 h3.94 r180; PIN_NUMBER "75" at 52067.13,52291.85 h3.94 r180; PIN_NUMBER "81" at 52067.13,52350.91 h3.94 r180; PIN_NUMBER "85" at 52067.13,52390.28 h3.94 r180; PIN_NUMBER "23" at 52067.13,51780.04 h3.94 r180; PIN_NUMBER "17" at 52067.13,51720.99 h3.94 r180; PIN_NUMBER "72" at 51870.28,52252.48 h3.94 r180; PIN_NUMBER "21" at 52067.13,51760.36 h3.94 r180; PIN_NUMBER "68" at 51870.28,52213.11 h3.94 r180; PIN_NUMBER "66" at 51870.28,52193.43 h3.94 r180; PIN_NUMBER "12" at 51870.28,51661.93 h3.94 r180; PIN_NUMBER "11" at 52067.13,51661.93 h3.94 r180; PIN_NUMBER "13" at 52067.13,51681.61 h3.94 r180; PIN_NUMBER "18" at 51870.28,51720.99 h3.94 r180; PIN_NUMBER "15" at 52067.13,51701.3 h3.94 r180; PIN_NUMBER "14" at 51870.28,51681.61 h3.94 r180; PIN_NUMBER "47" at 52067.13,52016.26 h3.94 r180; PIN_NUMBER "54" at 51870.28,52075.32 h3.94 r180; PIN_NUMBER "32" at 51870.28,51858.78 h3.94 r180; PIN_NUMBER "52" at 51870.28,52055.63 h3.94 r180; PIN_NUMBER "51" at 52067.13,52055.63 h3.94 r180; PIN_NUMBER "42" at 51870.28,51957.21 h3.94 r180; PIN_NUMBER "44" at 51870.28,51976.89 h3.94 r180; PIN_NUMBER "45" at 52067.13,51996.57 h3.94 r180; PIN_NUMBER "57" at 52067.13,52114.69 h3.94 r180; PIN_NUMBER "74" at 51870.28,52272.17 h3.94 r180; PIN_NUMBER "48" at 51870.28,52016.26 h3.94 r180; PIN_NUMBER "56" at 51870.28,52095 h3.94 r180; PIN_NUMBER "46" at 51870.28,51996.57 h3.94 r180; PIN_NUMBER "16" at 51870.28,51701.3 h3.94 r180; PIN_NUMBER "36" at 51870.28,51898.15 h3.94 r180; PIN_NUMBER "34" at 51870.28,51878.46 h3.94 r180; PIN_NUMBER "58" at 51870.28,52114.69 h3.94 r180; PIN_NUMBER "55" at 52067.13,52095 h3.94 r180; PIN_NUMBER "53" at 52067.13,52075.32 h3.94 r180; PIN_NUMBER "38" at 51870.28,51917.83 h3.94 r180; PIN_NUMBER "82" at 51870.28,52350.91 h3.94 r180; PIN_NUMBER "78" at 51870.28,52311.54 h3.94 r180; PIN_NUMBER "98" at 51870.28,52508.39 h3.94 r180; PIN_NUMBER "94" at 51870.28,52469.02 h3.94 r180; PIN_NUMBER "84" at 51870.28,52370.59 h3.94 r180; PIN_NUMBER "96" at 51870.28,52488.7 h3.94 r180; PIN_NUMBER "86" at 51870.28,52390.28 h3.94 r180; PIN_NUMBER "76" at 51870.28,52291.85 h3.94 r180; PIN_NUMBER "1" at 52068.7,51554.51 h3.94 r180; PIN_NUMBER "2" at 51871.85,51554.51 h3.94 r180; PIN_NUMBER "3" at 52068.7,51583.19 h3.94 r180; PIN_NUMBER "4" at 51871.85,51583.19 h3.94 r180; PIN_NUMBER "5" at 52068.7,51602.88 h3.94 r180; PIN_NUMBER "6" at 51871.85,51602.88 h3.94 r180; PIN_NUMBER "7" at 52068.7,51622.56 h3.94 r180; PIN_NUMBER "8" at 51871.85,51622.56 h3.94 r180; PIN_NUMBER "88" at 51870.28,52409.96 h3.94 r180; PIN_NUMBER "92" at 51870.28,52449.33 h3.94 r180; PIN_NUMBER "9" at 52068.7,51642.25 h3.94 r180; PIN_NUMBER "64" at 51870.28,52173.74 h3.94 r180; PIN_NUMBER "62" at 51870.28,52154.06 h3.94 r180; PIN_NUMBER "27" at 52067.13,51819.41 h3.94 r180; PIN_NUMBER "25" at 52067.13,51799.72 h3.94 r180; PIN_NUMBER "10" at 51870.28,51642.25 h3.94 r180
JP1: Top Overlay "1" at 52031.77,53754.57 h28; Top Overlay "2" at 52031.77,53879.57 h28; Top Overlay "39" at 54356.77,53754.57 h28; Top Overlay "40" at 54356.77,53879.57 h28; PIN_NUMBER "29" at 53636.77,53779.57 h25; PIN_NUMBER "30" at 53636.77,53879.57 h25; PIN_NUMBER "12" at 52736.77,53879.57 h25; PIN_NUMBER "11" at 52736.77,53779.57 h25; PIN_NUMBER "28" at 53536.77,53879.57 h25; PIN_NUMBER "40" at 54136.77,53879.57 h25; PIN_NUMBER "8" at 52546.77,53879.57 h25; PIN_NUMBER "18" at 53036.77,53879.57 h25; PIN_NUMBER "7" at 52546.77,53779.57 h25; PIN_NUMBER "1" at 52246.77,53779.57 h25; PIN_NUMBER "15" at 52936.77,53779.57 h25; PIN_NUMBER "25" at 53436.77,53779.57 h25; PIN_NUMBER "2" at 52246.77,53879.57 h25; PIN_NUMBER "26" at 53436.77,53879.57 h25; PIN_NUMBER "22" at 53236.77,53879.57 h25; PIN_NUMBER "4" at 52346.77,53879.57 h25; PIN_NUMBER "9" at 52646.77,53779.57 h25; PIN_NUMBER "33" at 53836.77,53779.57 h25; PIN_NUMBER "6" at 52446.77,53879.57 h25; PIN_NUMBER "38" at 54036.77,53879.57 h25; PIN_NUMBER "36" at 53936.77,53879.57 h25; PIN_NUMBER "3" at 52346.77,53779.57 h25; PIN_NUMBER "17" at 53036.77,53779.57 h25; PIN_NUMBER "27" at 53536.77,53779.57 h25; PIN_NUMBER "13" at 52836.77,53779.57 h25; PIN_NUMBER "24" at 53336.77,53879.57 h25; PIN_NUMBER "35" at 53936.77,53779.57 h25; PIN_NUMBER "37" at 54036.77,53779.57 h25; PIN_NUMBER "31" at 53736.77,53779.57 h25; PIN_NUMBER "34" at 53836.77,53879.57 h25; PIN_NUMBER "5" at 52446.77,53779.57 h25; PIN_NUMBER "14" at 52836.77,53879.57 h25; PIN_NUMBER "39" at 54136.77,53779.57 h25; PIN_NUMBER "32" at 53736.77,53879.57 h25; PIN_NUMBER "10" at 52636.77,53879.57 h25; PIN_NUMBER "19" at 53136.77,53779.57 h25; PIN_NUMBER "20" at 53136.77,53879.57 h25; PIN_NUMBER "16" at 52936.77,53879.57 h25; PIN_NUMBER "23" at 53336.77,53779.57 h25; PIN_NUMBER "21" at 53236.77,53779.57 h25